# Altium PCB PCB1.PcbDoc (continued)
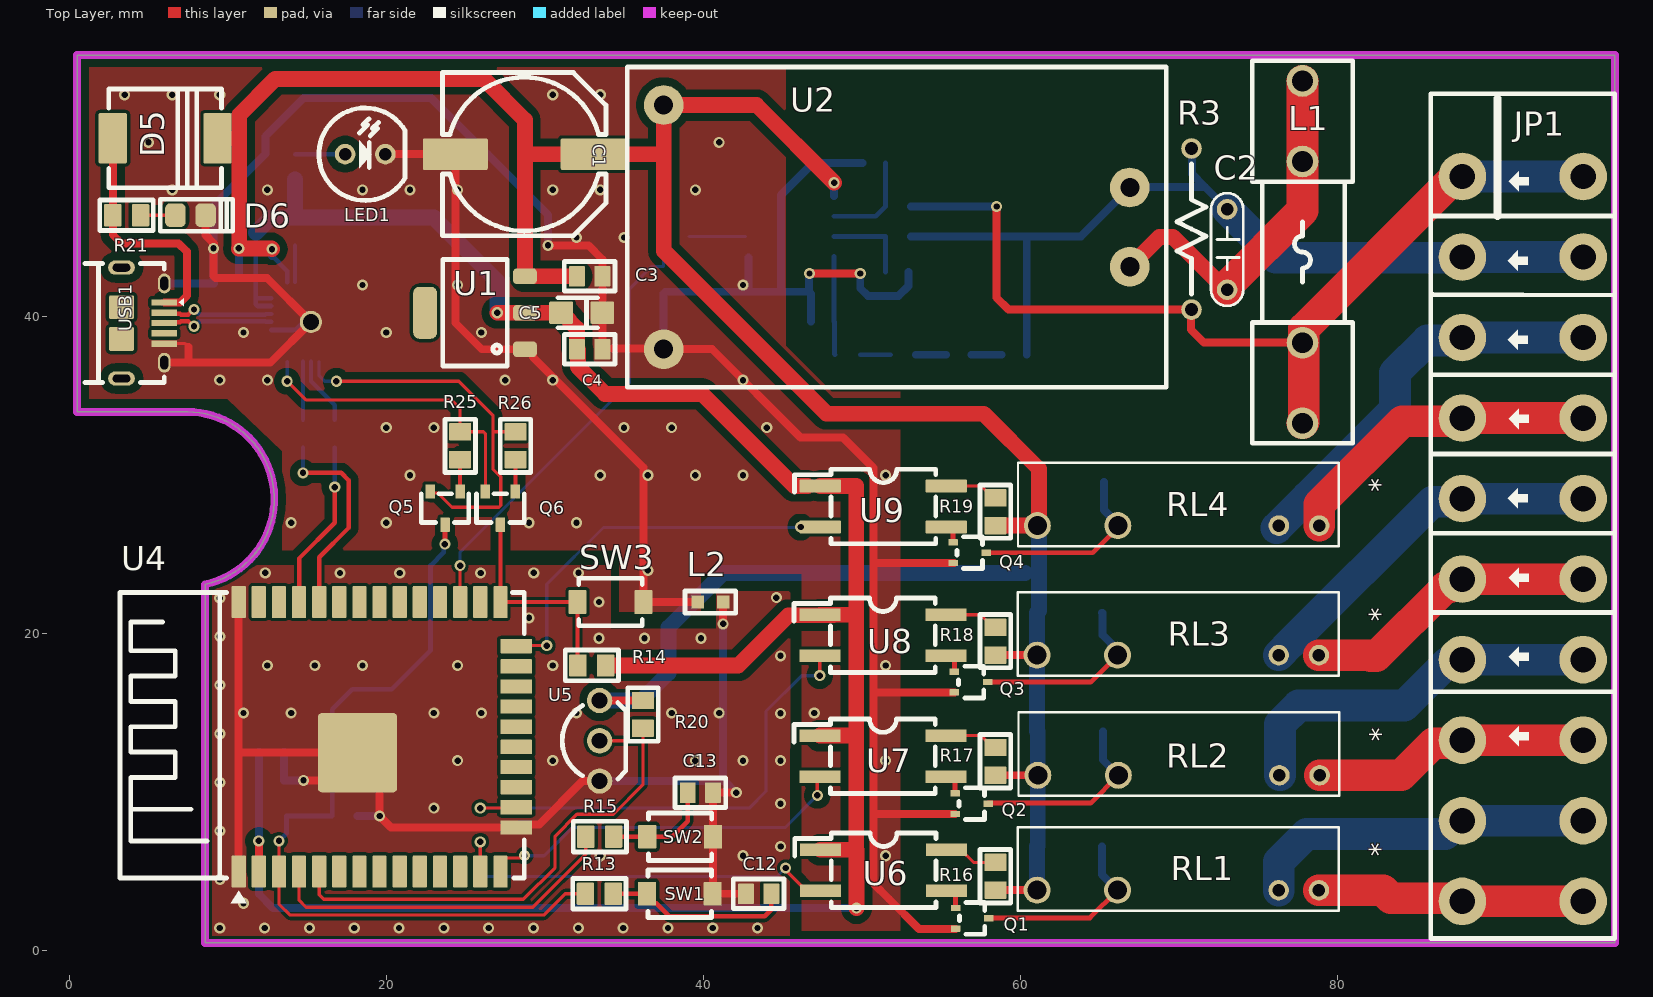
[diagram p0: Top Layer view]
## Part data
C1: library part 330uF/50V/ALU12.5X20mm/20%/7000Hrs, "CAP ALU 220UF 20% 50V SMD", ESR (Equivalent Series Resistance)=-, Lifetime @ Temp.="7000 Hrs @ 105°C", Manufacturer=Nichicon, Manufacturer Part Number=UPW1J331MHD, Operating Temperature="-55°C ~ 105°C", Package / Case="Radial, Can", Ripple Current - High Frequency="1.29A @ 100kHz", Ripple Current - Low Frequency="838.5mA @ 120Hz", Supplier Part Number 1=PCE5121TR-ND, Tolerance=±20%, Applications="General Purpose", Category=Capacitors, ComponentLink1Description=http://nichicon-us.com/english/products/pdfs/e-upw.pdf, ComponentLink1URL=http://nichicon-us.com/english/products/pdfs/e-upw.pdf, Height - Seated (Max)="0.787\" (20.00mm)", Lead Spacing="0.197\" (5.00mm)", Mounting Type="Through Hole", Packaging=Bulk, Part Status=Active, Polarization=Polar, RoHS="RoHS Compliant", Size / Dimension="0.492\" Dia (12.50mm)", Supplier 1=Digi-Key, Surface Mount Land Size=-
C2: library part 0.1uF/50V/C0603/10%, Manufacturer=Murata, ComponentLink1Description=http://www.murata.com/~/media/webrenewal/support/library/catalog/products/capacitor/mlcc/c02e.ashx, ComponentLink1URL=http://www.murata.com/~/media/webrenewal/support/library/catalog/products/capacitor/mlcc/c02e.ashx, Digikey=490-9961-1-ND
C3 C4 C10 C11 C12 C13 C14: library part 0.1uF/50V/C0603/10%, "0.1µF ±10% 25V Ceramic Capacitor X7R 0805 (2012 Metric)", ComponentLink1Description=http://www.murata.com/~/media/webrenewal/support/library/catalog/products/capacitor/mlcc/c02e.ashx, ComponentLink1URL=http://www.murata.com/~/media/webrenewal/support/library/catalog/products/capacitor/mlcc/c02e.ashx, Digikey=478-3755-1-ND
C5 C9: library part 0.1uF/50V/C0603/10%, "22µF ±20% 25V Ceramic Capacitor X5R 0805 (2012 Metric)", Manufacturer="Tariff Applied", ComponentLink1Description=http://www.murata.com/~/media/webrenewal/support/library/catalog/products/capacitor/mlcc/c02e.ashx, ComponentLink1URL=http://www.murata.com/~/media/webrenewal/support/library/catalog/products/capacitor/mlcc/c02e.ashx, Digikey=1276-2908-1-ND
C6 C7 C8: library part 0.1uF/50V/C0603/10%, "CAP CER 0.1UF 50V 10% X7R 0603", Capacitance=0.1µF, Manufacturer="Murata Electronics North America", Manufacturer Part Number=GRM188R71H104KA93D, Operating Temperature="-55°C ~ 125°C", Package / Case="0603 (1608 Metric)", Ratings=-, Supplier Part Number 1=490-1519-1-ND, Temperature Coefficient=X7R, Tolerance=±10%, Voltage - Rated=50V, Applications="General Purpose", Category=Capacitors, ComponentLink1Description=http://www.murata.com/~/media/webrenewal/support/library/catalog/products/capacitor/mlcc/c02e.ashx, ComponentLink1URL=http://www.murata.com/~/media/webrenewal/support/library/catalog/products/capacitor/mlcc/c02e.ashx, Features=-, Height - Seated (Max)=-, Lead Spacing=-, Lead Style=-, Mounting Type="Surface Mount, MLCC", Packaging="Tape & Reel (TR)", RoHS="RoHS Compliant", Size / Dimension="0.063\" L x 0.031\" W (1.60mm x 0.80mm)", Supplier 1=Digi-Key, Thickness (Max)="0.035\" (0.90mm)"
D1 D2 D3 D4: library part 10A10, "DIODE SCHOTTKY 30V 5A DO214AB", ComponentLink1Description=Datasheet, ComponentLink1URL="D:\Dropbox\Datasheets\Diodes and Rectifiers\Diodes\10AXX.pdf", Digikey=SSC53L-E3/57TGICT-ND
D5: library part "30# SK56L-TP", "DIODE SCHOTTKY 60V 5A DO214AB", ComponentLink1Description=http://www.mccsemi.com/up_pdf/SK52L-SK510L(DO-214AB).PDF, ComponentLink1URL=http://www.mccsemi.com/up_pdf/SK52L-SK510L(DO-214AB).PDF, Digikey=SK56L-TPMSCT-ND
D6: library part "LED GREEN 0603", "Green 571nm LED Indication - Discrete 2V 0805 (2012 Metric)", ComponentLink1Description=http://optoelectronics.liteon.com/upload/download/DS22-2000-074/S_110_LTST-C190KGKT.pdf, ComponentLink1URL=http://optoelectronics.liteon.com/upload/download/DS22-2000-074/S_110_LTST-C190KGKT.pdf, Digikey=160-1426-1-ND
IC1: library part CP2102, "USB Bridge, USB to UART USB 2.0 UART Interface 28-QFN (5x5)", Digikey=336-3694-ND, VNBuy=https://banlinhkien.vn/goods-2607-cp2102-qfn28.html
JP1: library part "Terminal KF142 10pin", "Terminal KF142 9pin"
L1 L2: library part Inductor, "Sensible value10-15mH，current / 70-500mA", Digikey=ASPI-7318-8R2M-TCT-ND
LED1: "LED Single colour Green and Red"
Q1 Q2 Q3 Q4: library part 2SC1815, "Bipolar (BJT) Transistor NPN 30V 3A 450MHz 800mW Surface Mount 3-MCPH", ComponentLink1Description=Datasheet, ComponentLink1URL="D:\Dropbox\Datasheets\Transistors\P Channel Bipolar\2SC1815.pdf", Digikey=MCH3209-TL-EOSCT-ND
Q5 Q6: library part 6#DTC143ZKAT146, "Pre-Biased Bipolar Transistor (BJT) NPN - Pre-Biased 50V 100mA 250MHz 200mW Surface Mount SMT3", Digikey=DTC143ZKAT146CT-ND
R1 R4: library part 15K/R0603/1%, "RES SMD 10K OHM 1% 1/10W 0603", Manufacturer=Yageo, Manufacturer Part Number=RC0603FR-0715KL, Operating Temperature="-55°C ~ 155°C", Package / Case="0603 (1608 Metric)", Power (Watts)="0.1W, 1/10W", Resistance (Ohms)=15k, Supplier Device Package=0603, Supplier Part Number 1=311-15.0KHRCT-ND, Temperature Coefficient=±100ppm/°C, Tolerance=±1%, Category=Resistors, ComponentLink1Description=http://www.yageo.com/NewPortal/yageodocoutput?fileName=/pdf/R-Chip/PYu-RC_Group_51_RoHS_L_3.pdf, ComponentLink1URL=http://www.yageo.com/NewPortal/yageodocoutput?fileName=/pdf/R-Chip/PYu-RC_Group_51_RoHS_L_3.pdf, Composition="Thick Film", Features="Moisture Resistant", Height="0.022\" (0.55mm)", Number of Terminations=2, Packaging=Digi-Reel®, RoHS="RoHS Compliant", Size / Dimension="0.063\" L x 0.031\" W (1.60mm x 0.80mm)", Supplier 1=Digi-Key
R2 R3 R5 R11: library part 15K/R0603/1%, "RES SMD 1K OHM 1% 1/10W 0603", Manufacturer=Yageo, Manufacturer Part Number=RC0603FR-0715KL, Operating Temperature="-55°C ~ 155°C", Package / Case="0603 (1608 Metric)", Power (Watts)="0.1W, 1/10W", Resistance (Ohms)=15k, Supplier Device Package=0603, Supplier Part Number 1=311-15.0KHRCT-ND, Temperature Coefficient=±100ppm/°C, Tolerance=±1%, Category=Resistors, ComponentLink1Description=http://www.yageo.com/NewPortal/yageodocoutput?fileName=/pdf/R-Chip/PYu-RC_Group_51_RoHS_L_3.pdf, ComponentLink1URL=http://www.yageo.com/NewPortal/yageodocoutput?fileName=/pdf/R-Chip/PYu-RC_Group_51_RoHS_L_3.pdf, Composition="Thick Film", Features="Moisture Resistant", Height="0.022\" (0.55mm)", Number of Terminations=2, Packaging=Digi-Reel®, RoHS="RoHS Compliant", Size / Dimension="0.063\" L x 0.031\" W (1.60mm x 0.80mm)", Supplier 1=Digi-Key
R6: library part 15K/R0603/1%, "RES SMD 15K OHM 1% 1/10W 0603", Manufacturer=Yageo, Manufacturer Part Number=RC0603FR-0715KL, Operating Temperature="-55°C ~ 155°C", Package / Case="0603 (1608 Metric)", Power (Watts)="0.1W, 1/10W", Resistance (Ohms)=15k, Supplier Device Package=0603, Supplier Part Number 1=311-15.0KHRCT-ND, Temperature Coefficient=±100ppm/°C, Tolerance=±1%, Category=Resistors, ComponentLink1Description=http://www.yageo.com/NewPortal/yageodocoutput?fileName=/pdf/R-Chip/PYu-RC_Group_51_RoHS_L_3.pdf, ComponentLink1URL=http://www.yageo.com/NewPortal/yageodocoutput?fileName=/pdf/R-Chip/PYu-RC_Group_51_RoHS_L_3.pdf, Composition="Thick Film", Features="Moisture Resistant", Height="0.022\" (0.55mm)", Number of Terminations=2, Packaging=Digi-Reel®, RoHS="RoHS Compliant", Size / Dimension="0.063\" L x 0.031\" W (1.60mm x 0.80mm)", Supplier 1=Digi-Key
R7 R8 R9 R10: library part 15K/R0603/1%, "RES SMD 470K OHM 1% 1/10W 0603", Manufacturer=Yageo, Manufacturer Part Number=RC0603FR-0715KL, Operating Temperature="-55°C ~ 155°C", Package / Case="0603 (1608 Metric)", Power (Watts)="0.1W, 1/10W", Resistance (Ohms)=15k, Supplier Device Package=0603, Supplier Part Number 1=311-15.0KHRCT-ND, Temperature Coefficient=±100ppm/°C, Tolerance=±1%, Category=Resistors, ComponentLink1Description=http://www.yageo.com/NewPortal/yageodocoutput?fileName=/pdf/R-Chip/PYu-RC_Group_51_RoHS_L_3.pdf, ComponentLink1URL=http://www.yageo.com/NewPortal/yageodocoutput?fileName=/pdf/R-Chip/PYu-RC_Group_51_RoHS_L_3.pdf, Composition="Thick Film", Features="Moisture Resistant", Height="0.022\" (0.55mm)", Number of Terminations=2, Packaging=Digi-Reel®, RoHS="RoHS Compliant", Size / Dimension="0.063\" L x 0.031\" W (1.60mm x 0.80mm)", Supplier 1=Digi-Key
R12 R20: library part 200K/R0603/1%, "10 kOhms ±1% 0.125W, 1/8W Chip Resistor 0805 (2012 Metric) Thick Film", Operating Temperature="-55°C ~ 155°C", Package / Case="0603 (1608 Metric)", Power (Watts)="0.1W, 1/10W", Supplier Device Package=0603, Category=Resistors, ComponentLink1Description=http://www.yageo.com/documents/recent/PYu-RC_Group_51_RoHS_L_7.pdf, ComponentLink1URL=http://www.yageo.com/documents/recent/PYu-RC_Group_51_RoHS_L_7.pdf, Digikey=A126332CT-ND, Failure Rate=-, Features="Moisture Resistant", Height - Seated (Max)="0.022\" (0.55mm)", Part Status=Active, RoHS="RoHS Compliant", Size / Dimension="0.063\" L x 0.031\" W (1.60mm x 0.80mm)"
R13 R15: library part 200K/R0603/1%, "0 Ohms Jumper 0.125W, 1/8W Chip Resistor 0805 (2012 Metric) Automotive AEC-Q200 Thick Film", ComponentLink1Description=http://www.yageo.com/documents/recent/PYu-RC_Group_51_RoHS_L_7.pdf, ComponentLink1URL=http://www.yageo.com/documents/recent/PYu-RC_Group_51_RoHS_L_7.pdf, Digikey=541-0.0ACT-ND, Failure Rate=-, Height - Seated (Max)="0.022\" (0.55mm)", Part Status=Active
R14: library part 200K/R0603/1%, "4k7 Ohms Jumper 0.125W, 1/8W Chip Resistor 0805 (2012 Metric)", ComponentLink1Description=http://www.yageo.com/documents/recent/PYu-RC_Group_51_RoHS_L_7.pdf, ComponentLink1URL=http://www.yageo.com/documents/recent/PYu-RC_Group_51_RoHS_L_7.pdf, Digikey=541-0.0ACT-ND, Failure Rate=-, Height - Seated (Max)="0.022\" (0.55mm)", Part Status=Active
R16 R17 R18 R19: library part 249K/R0805/1%, "RES SMD 249K OHM 1% 1/10W 0805", Manufacturer=Yageo, Manufacturer Part Number=RC0603FR-07249KL, Operating Temperature="-55°C ~ 155°C", Package / Case="0603 (1608 Metric)", Power (Watts)="0.1W, 1/10W", Supplier Device Package=0603, Temperature Coefficient=±100ppm/°C, Tolerance=±1%, Category=Resistors, ComponentLink1Description=http://www.yageo.com/documents/recent/PYu-RC_Group_51_RoHS_L_8.pdf, ComponentLink1URL=http://www.yageo.com/documents/recent/PYu-RC_Group_51_RoHS_L_8.pdf, Composition="Thick Film", Failure Rate=-, Features="Moisture Resistant", Height - Seated (Max)="0.022\" (0.55mm)", Packaging="Cut Tape (CT)", Part Status=Active, Pricing 1="1=0.1, 10=0.015, 100=0.006, 1000=0.00268, 2500=0.00233 (USD)", RoHS="RoHS Compliant", Size / Dimension="0.063\" L x 0.032\" W (1.60mm x 0.80mm)", Stock 1=370515, Supplier 1=Digi-Key
R21: library part 200K/R0603/1%, "1 kOhms ±1% 0.125W, 1/8W Chip Resistor 0805 (2012 Metric) Automotive AEC-Q200 Thick Film", Operating Temperature="-55°C ~ 155°C", Package / Case="0603 (1608 Metric)", Power (Watts)="0.1W, 1/10W", Supplier Device Package=0603, Category=Resistors, ComponentLink1Description=http://www.yageo.com/documents/recent/PYu-RC_Group_51_RoHS_L_7.pdf, ComponentLink1URL=http://www.yageo.com/documents/recent/PYu-RC_Group_51_RoHS_L_7.pdf, Digikey=541-1.00KCCT-ND, Failure Rate=-, Features="Moisture Resistant", Height - Seated (Max)="0.022\" (0.55mm)", Part Status=Active, RoHS="RoHS Compliant", Size / Dimension="0.063\" L x 0.031\" W (1.60mm x 0.80mm)"
R22 R23: library part 34.8K/R0805/1%, "1 kOhms ±1% 0.125W, 1/8W Chip Resistor 0805 (2012 Metric) Automotive AEC-Q200 Thick Film", Case Code (Imperial)=0603, Case Code (Metric)=1608, Max Operating Temperature=155°C, Min Operating Temperature=-55°C, Power Rating=100mW, Resistance=34.8kR, Voltage Rating=50V, Case/Package=0603, Depth=0.8mm, Digikey=541-1.00KCCT-ND, Height=0.45mm, Lead Free="Lead Free", Length=1.6mm, Military Standard=Not, Termination=SMD/SMT, Voltage Rating (DC)=50V, Width=0.8mm
R24: library part 34.8K/R0805/1%, "4.7 kOhms ±1% 0.125W, 1/8W Chip Resistor 0805 (2012 Metric) Thick Film", Digikey=541-4131-1-ND
R25 R26: library part 34.8K/R0805/1%, "10 kOhms ±1% 0.125W, 1/8W Chip Resistor 0805 (2012 Metric) Thick Film", Case Code (Imperial)=0603, Case Code (Metric)=1608, Max Operating Temperature=155°C, Min Operating Temperature=-55°C, Power Rating=100mW, Resistance=34.8kR, Voltage Rating=50V, Case/Package=0603, Depth=0.8mm, Digikey=A126332CT-ND, Height=0.45mm, Lead Free="Lead Free", Length=1.6mm, Military Standard=Not, Termination=SMD/SMT, Voltage Rating (DC)=50V, Width=0.8mm
RL1 RL2 RL3 RL4: "General Purpose Relay SPST-NO (1 Form A) 5VDC Coil Through Hole", Digikey=T9GV1L14-5
SW1 SW2 SW3: library part SW2, "SWITCH TACTILE SPST-NO 0.05A 12V", Digikey=CKN10384CT-ND
U4: "ESP-WROOM-32 (8MB), WIFI MODULE 64 MBITS SPI FLASH", Digikey=1904-1019-1-ND
U6 U7 U8 U9: library part PC817, "Optoisolator Transistor Output 5000Vrms 1 Channel 4-SOP", Digikey=TPC817S1BRAGCT-ND
USB1: library part USB_MINI, "USB - micro B USB 2.0 Receptacle Connector 5 Position Surface Mount, Right Angle; Through Hole", BuyVN=https://banlinhkien.vn/goods-5145-microusb-mk5p-dip.html, Digikey=609-4618-1-ND

## Via types
v1: diameter 0.7, hole 0.4, Top Layer to Bottom Layer, 137 vias

## Nets (pads, with @x,y where several pads share a name; then routed paths per layer and width w, separated by ;. In a path a pad name is that pad's centre, name@x,y a point inside that pad or via, vN(x,y) a via of type N, cw(c..) or ccw(c..) an arc to the next point about the centre after c; other vN are vias at no path point)
3.3V_ESP: C4.2 C5.2 C9.2 C10.2 IC1.6 IC1.7 R1.1 R12.1 R20.1 R24.1 U1.2 U4.2 U6.1 U7.1 U8.1 U9.1 | length 154.1
  Top Layer w0.5: U4.2 v1(11.96,6.935)
  Top Layer w1: v1(27,40.248) 27.002,40.25 28.75,40.25 C5.2 31.08,40.25 31.53,39.8 31.53,39.75 32.03,39.25 C4.2 32.087,37.893 32.087,36.843 33.805,35.125 39.938,35.125 45.741,29.322 U9.1@46.579,29.322 ; R20.1 42.205,18 45.373,21.168 47.353,21.168 U8.1@48.217,21.168 ; U7.1 49.645,13.572 ; U8.1 48.217,21.197 49.645,21.197 ; U9.1 49.645,29.322 49.645,21.197 ; U6.1 49.645,6.378 ; v1(49.665,2.692) 49.665,6.358 49.645,6.378 ; 49.645,6.378 49.645,13.572 ; 49.645,13.572 49.645,21.197
  Bottom Layer w0.3: 11.775,45.3 11.775,41.168 ; IC1.6 11.892,40.668 11.775,40.786 11.775,41.168 ; IC1.7 11.775,41.168
  Bottom Layer w0.5: C10.2 C9.2 R12.1 v1(11.96,6.935) 11.96,3.594 12.862,2.692 v1(49.665,2.692)
  Bottom Layer w1: 11.775,45.3 12.725,46.25 R24.1 ; R1.1 R24.1 ; v1(27,40.248) 27,42.255 23.005,46.25 R24.1
5V: C1.1 C3.2 C14.2 D1.2 D2.2 D3.2 D4.2 D5.2 IC1.8 R14.2 R16.2 R17.2 R18.2 R19.2 RL1.1 RL2.1 RL3.1 RL4.1 U1.3 U2.4 U3.1 U5.3 | length 185
  Top Layer w0.5: U5.3 R14.2 ; R16.2 RL1.1 ; R17.2 RL2.1 ; R18.2 RL3.1
  Top Layer w1: D5.2 10.725,51.25 ; v1(10.7,44.309) v1@10.725,44.309 ; v1(12.796,44.263) 12.75,44.309 v1@10.725,44.309 ; C3.2 28.75,42.55 28.75,50.25 ; v1(48.25,48.45) 43.35,53.35 U2.4 37.5,50.25 ; R19.2 RL4.1 61.178,26.824 61.178,30.389 57.693,33.875 47.775,33.875 37.5,44.15 37.5,50.25 ; v1@10.725,44.309 10.725,51.25 ; 10.725,51.25 10.725,52.725 13,55 26.15,55 28.75,52.4 28.75,50.25 ; 28.75,50.25 C1.1 37.5,50.25
  Bottom Layer w0.3: 12.796,43.829 13.75,42.875 IC1.8
  Bottom Layer w0.5: C14.2 v1(10.7,44.309) ; 12.796,43.829 v1(12.796,44.263) ; U3.1 v1(48.25,48.45)
  Bottom Layer w1: U5.3 36.065,15.79 37.8,17.525 37.8,20.394 41.156,23.75 ; 41.156,23.824 60.29,23.824 ; RL1.1 D1.2 61.098,6.619 RL2.1 D2.2 61.053,13.869 RL3.1 D3.2 61.178,21.449 D4.2
DGND: C9.1 C10.1 C11.1 C12.2 C13.2 L2.2 SW1.1 SW2.1 U4.1 U4.15 U4.38 U4.39 U5.1 | length 83.2
  Top Layer w0.5: U4.1 10.69,12.535 ; U4.38 10.69,12.535 ; v1(14.775,10.75) 16.44,10.75 U4.39 ; U5.1 32.385,10.71 29.65,7.975 28.39,7.975 U4.15 20.295,7.785 v1(19.58,8.5) 19.58,11.11 U4.39 ; v1(41.25,20.625) L2.2 ; v1(42.075,9.975) C13.2 SW2.1 40.602,7.188 40.602,3.612 SW1.1 C12.2 ; 10.69,12.535 10.725,12.5 U4.39
  Bottom Layer w0.5: C10.1 C9.1 v1(14.775,10.75) ; C11.1 v1(19.58,8.5) ; U5.1 41.213,10.71 41.34,10.71 ; v1(41.25,20.625) 41.25,10.8 41.34,10.71 ; v1(42.075,9.975) 41.34,10.71
  other v1: 9.5,1.435 12.327,1.435 15.153,1.435 17.98,1.435 20.807,1.435 23.634,1.435 26.46,1.435 29.287,1.435 32.114,1.435 34.941,1.435 37.767,1.435 40.594,1.435 43.421,1.435 11,3 9.5,4.5 33.5,6 42.5,6 44.877,6.583 9.5,7.565 23,9 44.865,9.283 9.5,10.63 24.5,12 30.5,12 39.5,12 42.5,12 44.865,12 9.5,13.695 44.868,14.977 11,15 14,15 23,15 26,15 32,15 38,15 41,15 9.5,16.761 12.5,18 15.5,18 18.5,18 24.5,18 30.5,18 44.868,18.607 33.424,19.719 36.29,19.719 39.849,19.719 9.5,19.826 29,21 33.415,22 9.5,22.25 44.608,22.28 17.078,23.834 20.85,23.834 25.956,23.834 12.365,23.841 29.305,23.841 32.129,23.841
EN: C11.2 Q5.3 R12.2 R13.2 U4.3 | length 51.6
  Top Layer w0.2: v1(13.23,6.935) U4.3 13.23,2.955 13.935,2.25 29.94,2.25 31.29,3.6 R13.2
  Top Layer w0.3: v1(23.7,25.65) 23.705,25.655 23.705,26.87 Q5.3
  Bottom Layer w0.3: v1(13.23,6.935) 13.71,7.415 R12.2 C11.2 16.595,15.245 17.85,16.5 20.345,16.5 22.793,18.948 22.793,24.3 23.623,25.13 23.623,25.573 v1(23.7,25.65)
ESP_BUTTON: R15.2 U4.4 | length 22.6
  Top Layer w0.2: U4.4 14.5,3.19 14.94,2.75 29.24,2.75 32.588,6.098 R15.2
esp_temp: R14.1 U4.5 U5.2 | length 32.5
  Top Layer w0.2: U4.5 15.77,3.53 16.05,3.25 28.65,3.25 30.65,5.25 30.65,7.236 32.024,8.61 34.335,8.61 36.19,10.465 36.19,13.25 ; U5.2 36.19,13.25 ; R14.1 36.19,13.25
IO0: Q6.3 R20.2 SW3.1 U4.25 | length 13.3
  Top Layer w0.25: Q6.3 U4.25 SW3.1 R20.2@32.065,18.465
NetC2_2: C2.2 L1.2 U2.1 | length 23.4
  Top Layer w1: U2.1 68.786,45.036 69.614,45.036 72.893,41.757 72.906,41.757 72.95,41.714 C2.2@72.95,41.7
  Top Layer w2: C2.2 73.045,41.95 77.795,46.7 L1.2@77.795,54.87
NetC6_2: C6.2 R2.1 U3.2 | length 6.2
  Bottom Layer w0.3: U3.2 50.872,46.335 R2.1 C6.2
NetC7_2: C7.2 R5.1 U3.3 | length 5.5
  Bottom Layer w0.3: U3.3 R5.1 C7.2
NetC8_2: C8.2 R10.1 R11.2 U3.4 | length 6.2
  Bottom Layer w0.3: U3.4 48.25,41.7 C8.2 48.275,39.675 48.275,37.625 R10.1
NetC12_1: C12.1 R13.1 SW1.2 | length 11.9
  Top Layer w0.3: R13.1 SW1.2 36.44,3.421 36.861,3 37.04,3 37.865,2.175 43.875,2.175 44.29,2.59 C12.1
NetC13_1: C13.1 R15.1 SW2.2 | length 6.9
  Top Layer w0.3: R15.1 SW2.2 38.038,7.2 39.013,8.175 C13.1
NetD1_1: D1.1 Q1.3 RL1.2 | length 12
  Top Layer w0.3: Q1.3@57.978,2.074 64.383,2.074 RL1.2
  Bottom Layer w0.5: D1.1 65.153,4.804 RL1.2
NetD2_1: D2.1 Q2.3 RL2.2 | length 12.1
  Top Layer w0.3: Q2.3@57.978,9.324 64.428,9.324 RL2.2
  Bottom Layer w0.5: D2.1 65.198,12.054 RL2.2
NetD3_1: D3.1 Q3.3 RL3.2 | length 12
  Top Layer w0.3: Q3.3 64.437,16.955 RL3.2
  Bottom Layer w0.5: D3.1 65.178,21.299 65.178,19.932 66.133,18.977 RL3.2
NetD4_1: D4.1 Q4.3 RL4.2 | length 12.3
  Top Layer w0.3: Q4.3 64.549,25.115 RL4.2@66.258,26.824
  Bottom Layer w0.5: D4.1 65.278,27.804 RL4.2@66.258,26.824
NetD6_1: D6.1 R21.2 | length 2.2
  Top Layer w0.25: R21.2 D6.1
NetIC1_9: IC1.9 R24.2 | length 2.3
  Bottom Layer w0.25: IC1.9@14.25,42.2 R24.2
NetIC1_25: IC1.25 R23.2 | length 4.3
  Bottom Layer w0.279: IC1.25 15.25,35.927 16.75,34.427 R23.2
NetIC1_26: IC1.26 R22.2 | length 3.7
  Bottom Layer w0.279: R22.2 IC1.26
NetLED1_1: LED1.1 R1.2 | length 3.2
  Bottom Layer w0.279: R1.2 LED1.1
NetQ1_1: Q1.1 U6.3 | length 1.6
  Top Layer w0.3: Q1.1 U6.3@55.908,3.638
  Top Layer w0.5: U6.3 55.758,3.788 U6.3@55.908,3.638
NetQ2_1: Q2.1 U7.3 | length 1.5
  Top Layer w0.3: Q2.1 U7.3@55.879,10.832
  Top Layer w0.5: U7.3 55.729,10.982 U7.3@55.879,10.832
NetQ3_1: Q3.1 U8.3 | length 1.4
  Top Layer w0.3: U8.3 55.591,18.607 55.841,18.357 Q3.1
NetQ4_1: Q4.1 U9.3 | length 1.3
  Top Layer w0.3: Q4.1 U9.3@55.756,26.582
  Top Layer w0.5: U9.3 55.606,26.732 U9.3@55.756,26.582
NetQ5_2: Q5.2 R25.1 | length 2.3
  Top Layer w0.25: Q5.2 R25.1@24.66,31.238
NetQ6_2: Q6.2 R26.1 | length 2
  Top Layer w0.25: Q6.2 R26.1
NetR4_1: R4.1 U3.6 | length 3.6
  Bottom Layer w0.2: R4.1@39.098,45.065 U3.6
NetR4_2: R4.2 R6.1 U4.27 | length 28.8
  Top Layer w0.2: U4.27 v1(24.66,24.3)
  Bottom Layer w0.2: v1(24.66,24.3) 24.66,25.16 35.349,35.849 35.349,41.774 36.75,43.175 R6.1 ; R4.2 37.498,45.066 R6.1@37.498,43.175
NetR7_2: R7.2 R8.2 | length 1.9
  Bottom Layer w0.5: R8.2 R7.2
NetR8_1: R8.1 R9.1 | length 1.9
  Bottom Layer w0.5: R9.1 R8.1
NetR9_2: R9.2 R10.2 | length 1.9
  Bottom Layer w0.3: R10.2 R9.2
NetR16_1: R16.1 U6.4 | length 3.4
  Top Layer w0.2: U6.4 56.245,6.378 57.049,5.574 R16.1
NetR17_1: R17.1 U7.4 | length 3.4
  Top Layer w0.2: U7.4 57.53,13.572 58.278,12.824 R17.1
NetR18_1: R18.1 U8.4 | length 3.5
  Top Layer w0.2: U8.4 57.483,21.197 58.278,20.401 R18.1
NetR19_1: R19.1 U9.4 | length 3.4
  Top Layer w0.2: U9.4 57.53,29.322 58.278,28.574 R19.1
NetR22_1: R22.1 U4.34 | length 13.1
  Top Layer w0.279: v1(14.75,30.15) 17.162,30.15 17.625,29.687 17.625,26.675 15.77,24.82 U4.34
  Bottom Layer w0.279: v1(14.75,30.15) R22.1
NetR23_1: R23.1 U4.35 | length 10.7
  Top Layer w0.279: U4.35 14.5,24.745 16.75,26.995 v1(16.75,29.25)
  Bottom Layer w0.279: v1(16.75,29.25) R23.1
NetU4_13: U4.13 U6.2 | length 26.4
  Top Layer w0.2: U4.13 v1(25.93,6.875) ; v1(45.189,5.226) 45.189,5.094 46.495,3.788 U6.2
  Bottom Layer w0.2: v1(25.93,6.875) 25.93,4.802 26.047,4.685 44.648,4.685 v1(45.189,5.226)
NetU4_14: U4.14 U7.2 | length 23.5
  Top Layer w0.2: U4.14 27.2,5.505 27.55,5.855 28.435,5.855 28.582,6.002 v1(28.718,6.002) ; v1(47.19,9.805) 47.19,10.819 U7.2
  Bottom Layer w0.2: v1(28.718,6.002) 29.957,6.002 31.725,7.77 45.156,7.77 v1(47.19,9.805)
NetU4_16: U4.16 U8.2 | length 31.4
  Top Layer w0.2: v1(25.93,9) 28.145,9 U4.16 ; v1(47.342,17.355) 47.342,18.597 U8.2
  Bottom Layer w0.2: v1(25.93,9) 42.894,9 43.955,10.061 43.955,15.103 46.207,17.355 v1(47.342,17.355)
NetU4_24: U4.24 U9.2 | length 24.5
  Top Layer w0.2: U4.24 28.235,19.25 v1(30.125,19.25) ; v1(46.136,26.732) U9.2
  Bottom Layer w0.2: v1(30.125,19.25) 30.125,23.125 33.703,26.703 v1@46.112,26.703
PGND: C1.2 C3.1 C4.1 C5.1 C6.1 C7.1 C8.1 C14.1 D6.2 IC1.3 IC1.29 L2.1 LED1.2 Q1.2 Q2.2 Q3.2 Q4.2 R6.2 R11.1 SW3.2 U1.1 U2.3 U3.5 USB1.5 USB1.6 USB1.7 | length 229.3
  Top Layer w0.2: USB1.5 7.314,38.3 7.514,38.1
  Top Layer w0.5: USB1.7 7.501,37.1 ; 7.514,38.1 7.514,37.113 7.501,37.1 ; D6.2 8.602,45.148 9.125,44.625 v1@9.125,44.309 ; v1(9.1,44.309) 9.1,42.567 9.217,42.45 12.469,42.45 15.25,39.668 12.682,37.1 7.501,37.1 ; LED1.2 C1.2 24.355,39.618 26.025,37.948 U1.1 29,37.948 29.25,37.698 29.25,37.448 36.198,30.5 36.215,30.5 SW3.2 L2.1@39.55,22 ; v1(30.205,44.5) 32.755,44.5 33.63,43.625 C3.1 C5.1 C4.1 33.68,38 U2.3@37.5,38 ; U2.3 38.455,37.95 40.56,37.95 46.135,32.375 48.805,32.375 50.728,30.452 50.728,24.462 ; v1(46.701,42.725) v1(49.9,42.725) ; Q4.2@55.706,24.462 50.728,24.462 ; Q4.2@55.756,24.462 Q4.2@55.806,24.462 ; Q3.2 50.728,16.305 ; Q2.2 50.728,8.63 ; Q1.2@55.908,1.38 53.603,1.38 51.703,3.28 50.728,4.255 50.728,8.63 ; 50.728,8.63 50.728,16.305 ; 50.728,16.305 50.728,24.462
  Bottom Layer w0.3: IC1.3 IC1.29@14.425,39.168
  Bottom Layer w0.5: USB1.6 C14.1@9.125,42.1 ; C14.1 v1(9.1,44.309) 9.1,47.002 12.375,50.277 12.375,51.375 14.8,53.8 22.83,53.8 26.38,50.25 ; IC1.29@14.425,39.168 14.925,39.668 IC1.29@15.25,39.668 ; LED1.2@20,50.25 26.38,50.25 ; v1(30.205,44.5) 30.205,46.425 26.38,50.25 ; U2.3 37.5,41.45 37.625,41.575 42.855,41.575 ; U3.5@42.855,43.745 42.855,41.575 ; 44.605,41.575 42.855,41.575 ; v1(46.701,42.725) 46.676,42.699 46.676,41.601 R11.1 ; C8.1 46.8,41.425 R11.1 ; v1(49.9,42.725) 49.9,41.8 50.4,41.3 52.3,41.3 52.937,41.937 C7.1 ; C6.1 46.916,49.7 44.9,47.684 44.9,41.7 44.775,41.575 R11.1
  other v1: 51.5,6 51.5,12 47,15 51.5,18 36.5,24 14,27 20,27 29,27 32,27 21.5,30 33.5,30 36.5,30 39.5,30 42.5,30 51.5,30 20,33 23,33 35,33 38,33 44,33 9.5,36 12.5,36 27.5,36 30.5,36 42.5,36 11,39 20,39 26,39 18.5,42 24.5,42 42.5,42 32,45 35,45 6.5,48 12.5,48 18.5,48 21.5,48 24.5,48 30.5,48 33.5,48 39.5,48 5,51 41,51 3.5,54 6.5,54 9.5,54 30.5,54 33.5,54
RL1_1: JP1.9 JP1.12 RL1.3 | length 20.6
  Bottom Layer w2: RL1.3@76.3,3.799 76.3,5.619 78.056,7.375 JP1.9@86.779,7.375 ; JP1.9 JP1.12
RL1_2: JP1.10 JP1.11 RL1.4 | length 17
  Top Layer w2: RL1.4 82.872,3.824 83.38,3.316 87.689,3.316 JP1.10 JP1.11
RL2_1: JP1.7 JP1.14 RL2.3 | length 24
  Bottom Layer w2: RL2.3@76.374,11.074 76.374,14.299 77.545,15.471 84.221,15.471 86.924,18.174 87.689,18.174 JP1.7 JP1.14
RL2_2: JP1.8 JP1.13 RL2.4 | length 17.5
  Top Layer w2: RL2.4 84.029,11.074 86.049,13.094 87.689,13.094 JP1.8 JP1.13
RL3_1: JP1.5 JP1.16 RL3.3 | length 23.3
  Bottom Layer w2: RL3.3 77.036,19.394 77.036,19.396 85.973,28.334 87.689,28.334 JP1.5 JP1.16
RL3_2: JP1.6 JP1.15 RL3.4 | length 18.4
  Top Layer w2: RL3.4 82.036,18.652 82.11,18.578 82.453,18.578 86.82,22.945 87.109,22.945 87.418,23.254 JP1.6@87.418,23.445 ; JP1.6 JP1.15
RL4_1: JP1.3 JP1.18 RL4.3 | length 25.7
  Bottom Layer w2: RL4.3@76.161,26.677 77.051,27.566 77.051,27.569 78.104,28.622 78.106,28.622 83.625,34.141 83.625,36.453 85.665,38.494 87.689,38.494 JP1.3 JP1.18
RL4_2: JP1.4 JP1.17 RL4.4 | length 20.2
  Top Layer w2: RL4.4 78.848,28.158 84.104,33.414 87.689,33.414 JP1.4 JP1.17
USB_DTR: IC1.28 Q6.1 R25.2 | length 19.6
  Top Layer w0.2: v1(13.75,35.927) 14.928,34.75 24.091,34.75 24.66,34.181 R25.2 26.133,32.738 26.25,32.621 Q6.1
  Bottom Layer w0.2: v1(13.75,35.927) IC1.28
USB_N: IC1.5 USB1.2 | length 7.1
  Top Layer w0.279: USB1.2 6.061,40.189 6.99,40.189 7.052,40.128 7.501,40.128 7.823,40.45 v1(7.875,40.45)
  Bottom Layer w0.279: v1(7.875,40.45) 7.927,40.45 8.249,40.128 10.454,40.128 10.46,40.121 12.353,40.121 12.4,40.168 IC1.5
USB_P: IC1.4 USB1.3 | length 7.1
  Top Layer w0.279: USB1.3 6.061,39.661 6.99,39.661 7.052,39.722 7.501,39.722 7.823,39.4 v1(7.875,39.4)
  Bottom Layer w0.279: v1(7.875,39.4) 7.927,39.4 8.249,39.722 10.286,39.722 10.292,39.716 12.353,39.716 12.4,39.668 IC1.4
USB_RTS: IC1.24 Q5.1 R26.2 | length 25.1
  Top Layer w0.2: v1@16.913,35.927 24.583,35.927 26.729,33.781 26.729,32.719 ; Q5.1 22.853,28.882 23.243,28.882 24.15,27.975 27.108,27.975 27.225,28.092 27.225,29.899 26.729,30.395 26.729,32.719 ; R26.2 26.748,32.738 26.729,32.719
  Bottom Layer w0.2: IC1.24 15.75,36.298 16.121,35.927 v1(16.85,35.927)
V220L: JP1.1 JP1.20 L1.1 R2.2 R3.1 | length 60.1
  Top Layer w0.5: v1(58.5,46.95) 58.5,41.2 59.25,40.45 R3.1 ; R3.1@70.75,40.45 70.75,39.2 71.59,38.36 L1.1@77.795,38.36
  Top Layer w2: L1.1@77.795,33.28 77.875,33.36 77.875,38.28 77.795,38.36 77.875,38.44 77.875,39.25 87.279,48.654 87.689,48.654 JP1.1
  Bottom Layer w0.5: R2.2 v1(58.5,46.95)
  Bottom Layer w2: JP1.1 JP1.20
V220N: C2.1 JP1.2 JP1.19 R3.2 R5.2 R7.1 U2.2 | length 55.9
  Top Layer w1: U2.2 U2.2@66.94,48.19 ; C2.1@73.005,46.74 C2.1
  Bottom Layer w0.5: R5.2 60.4,45.065 ; R7.1 60.4,45.065 ; R3.2 70.831,50.574 70.831,48.994 71.635,48.19 ; C2.1 71.635,48.19 ; 60.4,45.065 63.815,45.065 U2.2 66.94,48.19 71.635,48.19
  Bottom Layer w2: C2.1 76.11,43.715 JP1.2@87.88,43.715 ; JP1.2 JP1.19
VCCUSB: D5.1 R21.1 USB1.1 | length 15.6
  Top Layer w0.5: D5.1 R21.1 2.75,45.175 3.3,44.625 6.9,44.625 7.425,44.1 7.425,41.327 6.998,40.9 USB1.1
pads on no net: IC1. IC1.1 IC1.2 IC1.10 IC1.11 IC1.12 IC1.13 IC1.14 IC1.15 IC1.16 IC1.17 IC1.18 IC1.19 IC1.20 IC1.21 IC1.22 IC1.23 IC1.27 U1.4 U3.7 U3.8 U4.6 U4.7 U4.8 U4.9 U4.10 U4.11 U4.12 U4.17 U4.18 U4.19 U4.20 U4.21 U4.22 U4.23 U4.26 U4.28 U4.29 U4.30 U4.31 U4.32 U4.33 U4.36 U4.37 USB1. USB1.4 USB1.8 USB1.9

## Polygon pours and split planes (outlines as drawn)
DGND on Top Layer "DGND_L01_P000" (solid, pour order 0): 11.816,24.306 10.755,23.684 9.033,22.675 9.033,0.89 45.44,0.89 45.481,22.675 40.815,22.675 40.815,20.331 34.157,20.331 34.157,24.306
PGND on Top Layer "PGND_L01_P001" (solid, pour order 1): 0.956,56.022 0.956,34.822 9.956,34.822 13.45,31.528 13.45,25.278 34.7,25.278 34.7,21.4 39.849,21.4 39.849,23.778 46.199,23.778 46.199,0.997 52.432,0.997 52.432,35.278 48.106,35.278 45.209,38.175 45.209,56.022
DGND on Bottom Layer "DGND_L02_P002" (solid, pour order 2): 11.816,24.306 9.033,22.675 9.033,0.89 45.44,0.89 45.481,17.639 45.481,22.675 40.815,22.675 40.815,20.331 34.157,20.331 34.157,24.306
PGND on Bottom Layer "PGND_L02_P003" (solid, pour order 3): 0.956,56.022 45.209,56.022 45.209,38.175 48.106,35.278 52.432,35.278 52.432,0.997 46.199,0.997 46.199,23.778 39.849,23.778 39.849,21.4 34.7,21.4 34.7,25.278 13.45,25.278 13.45,31.528 9.956,34.822 0.956,34.822

## Keep-outs
Keep-Out Layer:
  lines w0.5: 7.438,34 cw(c7.438,28.5) 8.581,23.12 ; 7.514,33.999 0.5,33.999 0.5,56.5 97.5,56.5 97.5,0.5 8.575,0.5 8.575,16.277 8.575,23.12

## Text inside footprints (layer, text, board x,y; h text height)
C2: Mechanical 1 "2" at 72.72,41.955 h0.76 r270; Mechanical 1 "1" at 72.695,46.905 h0.76 r270
D5: Mechanical 2 "A" at 2.952,50.55 h1.2; Mechanical 2 "K" at 8.552,50.55 h1.2
IC1: Mechanical 2 "1" at 12.95,38.168 h0.5 r270; Mechanical 2 "7" at 12.95,40.968 h0.5 r270; Mechanical 2 "8" at 13.55,41.868 h0.5 r180; Mechanical 2 "14" at 15.85,41.768 h0.5 r180; Mechanical 2 "15" at 16.95,40.668 h0.5 r270; Mechanical 2 "21" at 16.95,37.968 h0.5 r270; Mechanical 2 "22" at 15.95,38.068 h0.5 r180; Mechanical 2 "28" at 13.45,37.968 h0.5 r180
JP1: Mechanical 2 "1" at 95.15,48.985 h0.8 r270; Mechanical 2 "1" at 87.53,48.985 h0.8 r270; Mechanical 2 "2" at 87.589,44.018 h0.8 r270; Mechanical 2 "2" at 87.589,38.938 h0.8 r270; Mechanical 2 "2" at 87.589,33.858 h0.8 r270; Mechanical 2 "2" at 87.589,28.778 h0.8 r270; Mechanical 2 "2" at 87.589,23.698 h0.8 r270; Mechanical 2 "2" at 87.589,18.618 h0.8 r270; Mechanical 2 "2" at 87.589,13.538 h0.8 r270
L2: Mechanical 1 "R?" at 40.45,22 h0.5
Q1: Mechanical 2 "B" at 56.308,2.9 h0.5 r270; Mechanical 2 "C" at 57.158,2.2 h0.5 r270; Mechanical 2 "E" at 56.308,1.5 h0.5 r270
Q2: Mechanical 2 "B" at 56.279,10.129 h0.5 r270; Mechanical 2 "C" at 57.129,9.429 h0.5 r270; Mechanical 2 "E" at 56.279,8.729 h0.5 r270
Q3: Mechanical 2 "B" at 56.241,17.805 h0.5 r270; Mechanical 2 "C" at 57.091,17.105 h0.5 r270; Mechanical 2 "E" at 56.241,16.405 h0.5 r270
Q4: Mechanical 2 "E" at 56.156,24.565 h0.5 r270; Mechanical 2 "C" at 57.006,25.265 h0.5 r270; Mechanical 2 "B" at 56.156,25.965 h0.5 r270
Q5: Mechanical 2 "C" at 23.86,27.525 h0.4 r180; Mechanical 2 "B" at 22.81,28.725 h0.4 r180; Mechanical 2 "E" at 24.81,28.625 h0.4 r180
Q6: Mechanical 2 "E" at 29.726,31.295 h0.4 r180; Mechanical 2 "B" at 26.3,28.725 h0.4 r180; Mechanical 2 "C" at 27.35,27.525 h0.4 r180
RL1: Top Overlay "*" at 81.492,6.808 h1.27 r270; Mechanical 13 "*" at 79.257,6.808 h1.27 r270
RL2: Top Overlay "*" at 81.537,14.058 h1.27 r270; Mechanical 13 "*" at 79.302,14.058 h1.27 r270
RL3: Top Overlay "*" at 81.492,21.636 h1.27 r270; Mechanical 13 "*" at 79.257,21.636 h1.27 r270
RL4: Top Overlay "*" at 81.507,29.808 h1.27 r270; Mechanical 13 "*" at 79.272,29.808 h1.27 r270
U1: Mechanical 1 "1" at 27.175,37.728 h1.2 r90; Mechanical 1 "2" at 27.175,39.933 h1.2 r90; Mechanical 1 "3" at 27.175,42.138 h1.2 r90
U2: Mechanical 2 "3" at 37.83,38.46 h1 r180; Mechanical 2 "4" at 37.83,53.83 h1 r180; Mechanical 2 "1" at 67.01,43.66 h1 r180; Mechanical 2 "2" at 67.2,48.68 h1 r180
U4: Mechanical 2 "38" at 11.245,22.3 h0.8 r180; Mechanical 2 "25" at 27.845,22.3 h0.8 r180; Mechanical 2 "24" at 28.245,18.6 h0.8 r90; Mechanical 2 "15" at 28.245,7.2 h0.8 r90; Mechanical 2 "14" at 27.645,5.6 h0.8 r180; Mechanical 2 "1" at 10.745,5.6 h0.8 r180
U5: Mechanical 1 "E" at 33.862,15.65 h0.8 r90; Mechanical 1 "C" at 33.862,10.45 h0.8 r90; Mechanical 1 "B" at 33.862,13.05 h0.8 r90
U6: Mechanical 2 "E" at 53.77,3.383 h0.8; Mechanical 2 "C" at 53.77,5.983 h0.8; Mechanical 2 "K" at 48.37,3.388 h0.8; Mechanical 2 "A" at 48.37,5.183 h0.8
U7: Mechanical 2 "E" at 53.728,10.577 h0.8; Mechanical 2 "C" at 53.728,13.177 h0.8; Mechanical 2 "K" at 48.328,10.583 h0.8; Mechanical 2 "A" at 48.328,12.377 h0.8
U8: Mechanical 2 "E" at 53.728,18.202 h0.8; Mechanical 2 "C" at 53.728,20.802 h0.8; Mechanical 2 "K" at 48.328,18.208 h0.8; Mechanical 2 "A" at 48.328,20.002 h0.8
U9: Mechanical 2 "E" at 53.754,26.327 h0.8; Mechanical 2 "C" at 53.754,28.927 h0.8; Mechanical 2 "K" at 48.354,26.333 h0.8; Mechanical 2 "A" at 48.354,28.127 h0.8
USB1: Mechanical 2 "1" at 5,41 h0.8 r270; Mechanical 2 "5" at 5,38.6 h0.8 r270